# Altium PCB PCB1.PcbDoc (part 1 of 2)
Units mm, origin at the board's own origin, x right, y up, seen from the top; angles counter-clockwise.
Board outline 45 x 19 mm, 4 copper layers (Top Layer 1, Top Layer, Bottom Layer, Bottom Layer 1), stack 0.902 mm thick; 62 components, 38 nets, 218 pads, 229 vias.
Unrouted connection lines stored in the file: 1.
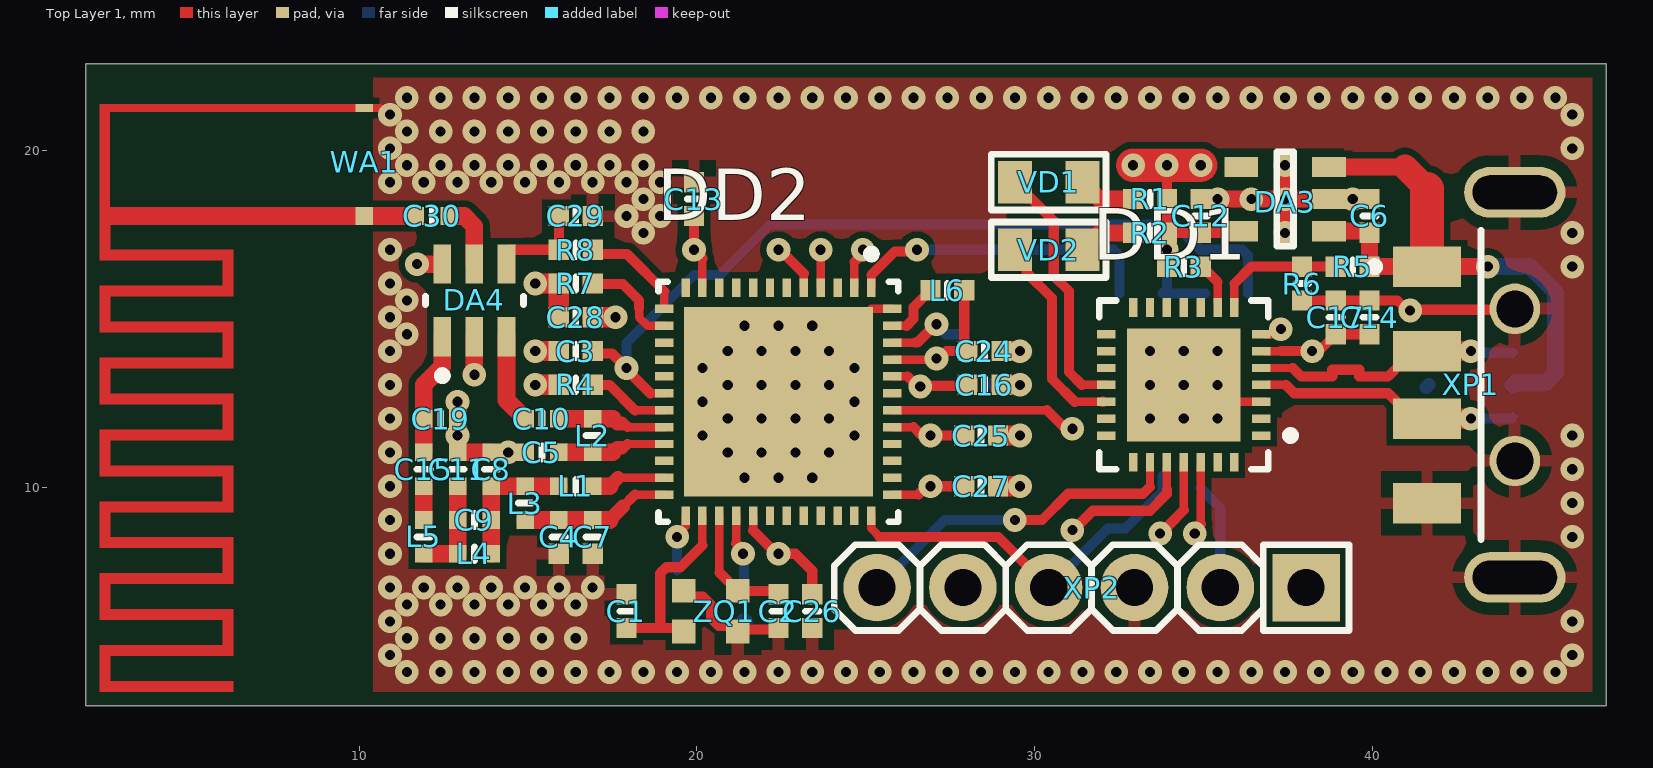
[diagram p0: Top Layer 1 view]
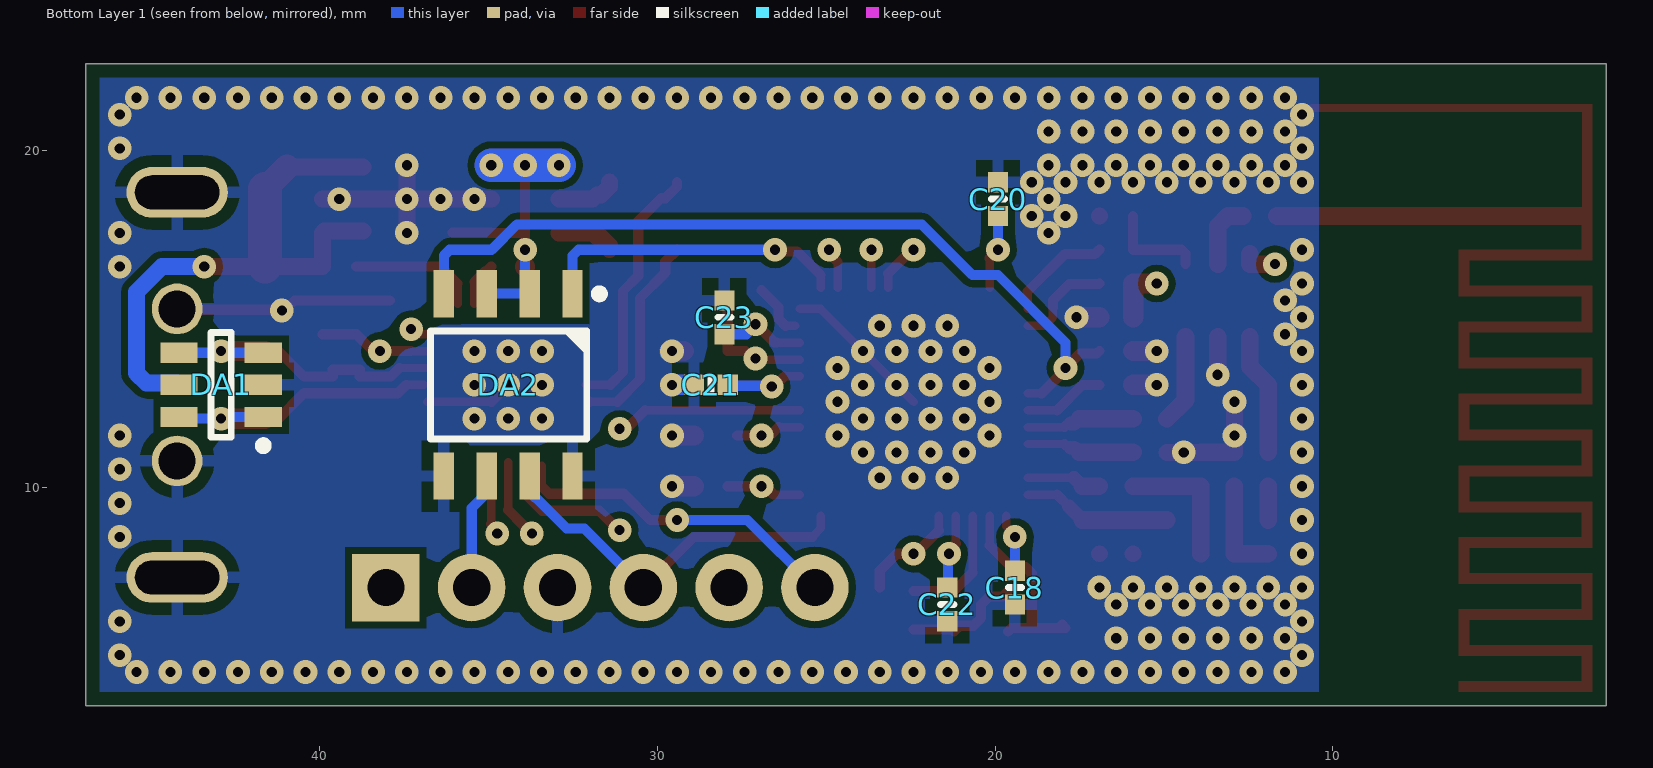
[diagram p1: Bottom Layer 1 view, seen from below]
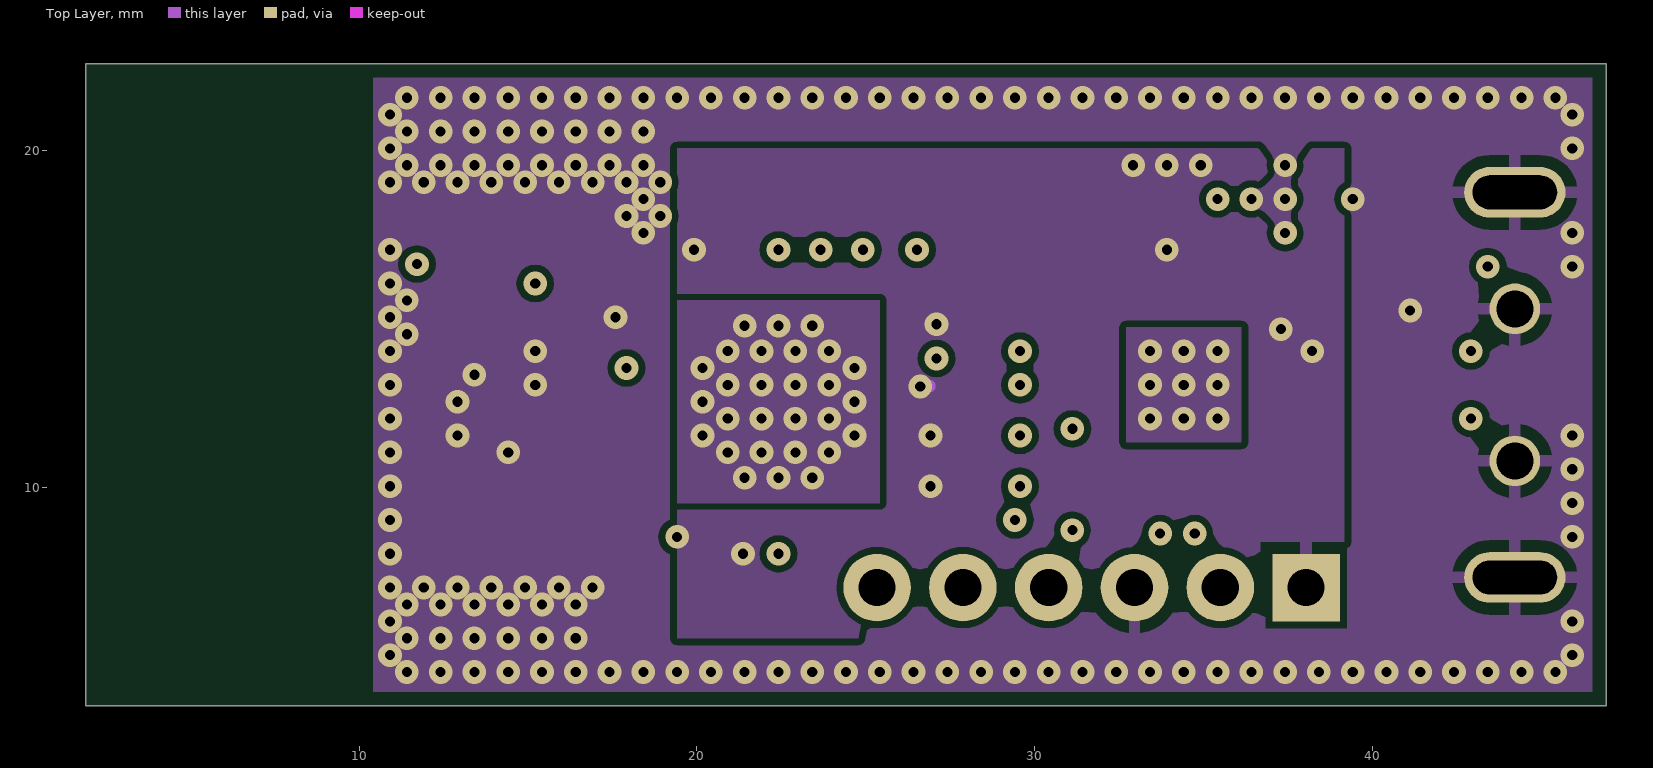
[diagram p2: Top Layer]
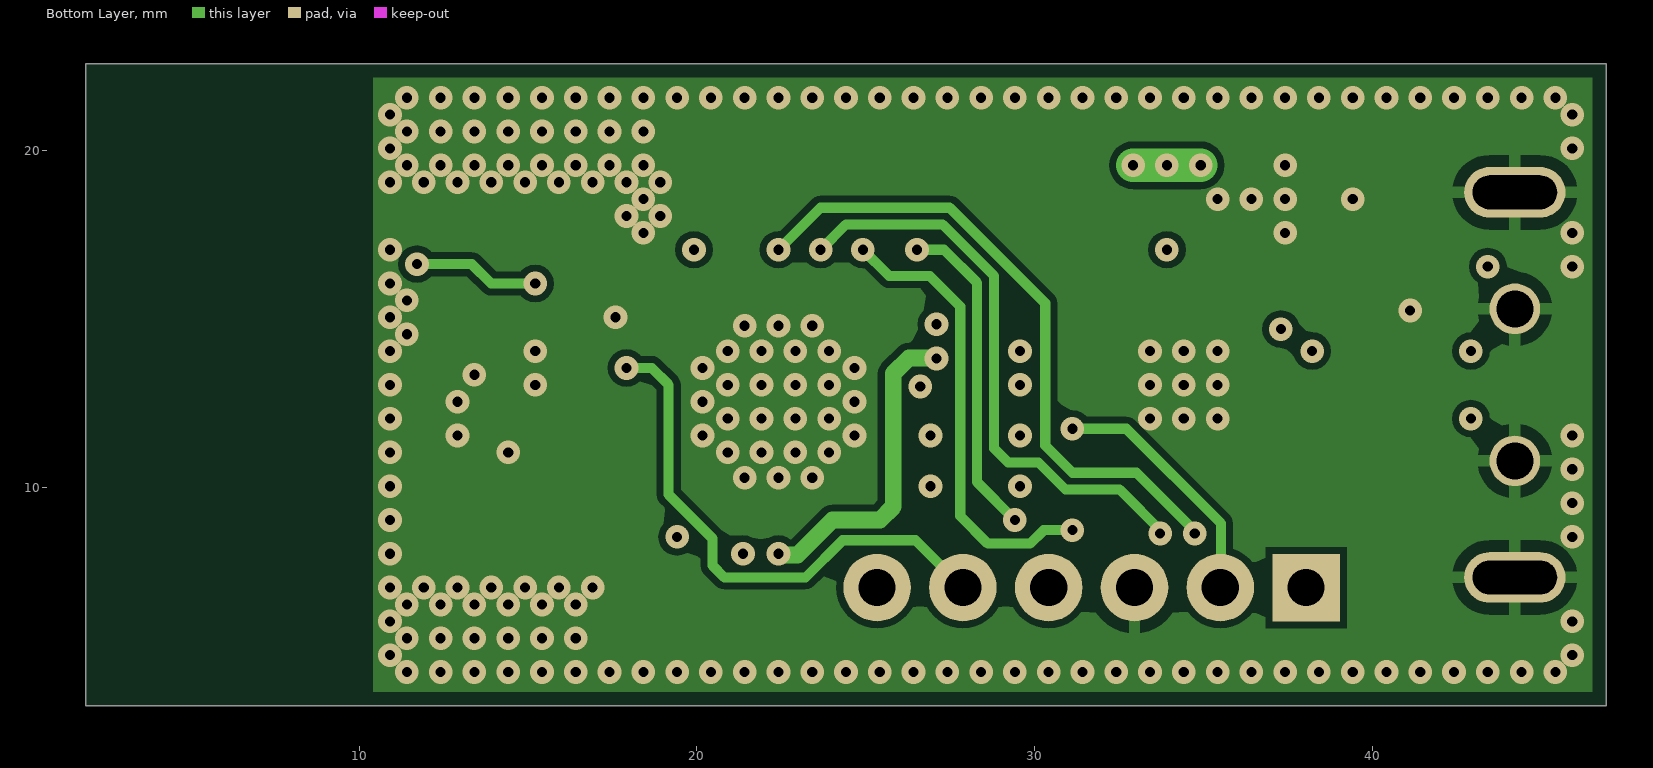
[diagram p3: Bottom Layer]

## Layer stack, top to bottom
Top Solder: solder mask 0.0254, SM-001, Dk 3.5
Top Layer 1: signal copper 0.018
Dielectric 5: core 0.3, FR4 Tg150, Dk 4.6
Top Layer: signal copper 0.018
Dielectric 4: prepreg 0.115, FR4 PR, Dk 4.2
Dielectric 3: prepreg 0.115, FR4 PR, Dk 4.2
Bottom Layer: signal copper 0.018
Dielectric 1: core 0.3, FR4 Tg150, Dk 4.6
Bottom Layer 1: signal copper 0.018
Bottom Solder: solder mask 0.0254, SM-001, Dk 3.5

## Board outline
1.912,3.55 1.912,22.55 46.912,22.55 46.912,3.55

## Design rules (kind name [scope] priority, off if disabled: settings)
AcuteAngle [All] p1: minimum=3.50000000000000E+0001 checktracksonly=FALSE
BoardOutlineClearance "BoardOutlineClearance 1" [All] p1: gap=0.4 ignorepadtopadclearanceinfootprint=FALSE except(0: Arc-SplitContinuation Track-SplitContinuation SMDPad-SplitContinuation THPad-SplitContinuation Via-SplitContinuation Fill-SplitContinuation Poly-SplitContinuation Region-SplitContinuation Text-SplitContinuation; 0.25: Region-SplitBarrior) // Milling
BoardOutlineClearance "BoardOutlineClearance 2" [All] p2: gap=0.4 ignorepadtopadclearanceinfootprint=FALSE except(0: Arc-SplitContinuation Track-SplitContinuation SMDPad-SplitContinuation THPad-SplitContinuation Via-SplitContinuation Fill-SplitContinuation Poly-SplitContinuation Region-SplitContinuation Text-SplitContinuation) // V-Cut
Clearance "Clearance 3 Oz" [All] p1 off: gap=0.35 ignorepadtopadclearanceinfootprint=FALSE except(0.25: Arc-Hole Track-Hole SMDPad-Hole THPad-Hole Via-Hole Fill-Hole Poly-Hole Region-Hole Text-Hole)
Clearance "Clearance 2 Oz" [All] p2 off: gap=0.3 ignorepadtopadclearanceinfootprint=FALSE except(0.25: Arc-Hole Track-Hole SMDPad-Hole THPad-Hole Via-Hole Fill-Hole Poly-Hole Region-Hole Text-Hole)
Clearance "Clearance-1 1 Oz" [All] p3: gap=0.2 ignorepadtopadclearanceinfootprint=FALSE except(0.25: Arc-Hole Track-Hole SMDPad-Hole THPad-Hole Via-Hole Fill-Hole Poly-Hole Region-Hole Text-Hole) // Standart
Clearance "Clearance-2 1 Oz" [All] p4 off: gap=0.15 ignorepadtopadclearanceinfootprint=FALSE except(0.2: Arc-Fill Arc-Poly Track-Fill Track-Poly SMDPad-Fill SMDPad-Poly THPad-Fill THPad-Poly Via-Fill Via-Poly Fill-Fill Fill-Poly Poly-Poly; 0.25: Arc-Hole Track-Hole SMDPad-Hole THPad-Hole Via-Hole Fill-Hole Poly-Hole Region-Hole Text-Hole) // Advance
Clearance "Clearance-1 1/2 Oz" [All] p5 off: gap=0.125 ignorepadtopadclearanceinfootprint=FALSE except(0.2: Arc-Fill Arc-Poly Track-Fill Track-Poly SMDPad-SMDPad SMDPad-Fill SMDPad-Poly THPad-Fill THPad-Poly Via-Fill Via-Poly Fill-Fill Fill-Poly Poly-Poly Poly-Region Poly-Text; 0.25: Arc-Hole Track-Hole SMDPad-Hole THPad-Hole Via-Hole Fill-Hole Poly-Hole Region-Hole Text-Hole) // Standart
Clearance "Clearance-2 1/2 Oz" [All] p6 off: gap=0.1 ignorepadtopadclearanceinfootprint=FALSE except(0.15: Arc-Fill Arc-Poly Track-Fill Track-Poly SMDPad-SMDPad SMDPad-Fill SMDPad-Poly THPad-Fill THPad-Poly Via-Fill Via-Poly Fill-Fill Fill-Poly Poly-Poly Poly-Region Poly-Text; 0.25: Arc-Hole Track-Hole SMDPad-Hole THPad-Hole Via-Hole Fill-Hole Poly-Hole Region-Hole Text-Hole) // Advance
DiffPairsRouting "DiffPairsRouting 1 Oz" [All] p1: maxlimit=0.254 minlimit=0.2 mostfreqgap=0.254 toplayer_minwidth=0.2 toplayer_maxwidth=0.381 toplayer_prefwidth=0.381 midlayer1_minwidth=0.2 midlayer1_maxwidth=0.381 midlayer1_prefwidth=0.381 midlayer2_minwidth=0.2 midlayer2_maxwidth=0.381 midlayer2_prefwidth=0.381 bottomlayer_minwidth=0.2 bottomlayer_maxwidth=0.381 bottomlayer_prefwidth=0.381 maxuncoupledlength=12.7
DiffPairsRouting "DiffPairsRouting 1/2 Oz" [All] p2: maxlimit=0.254 minlimit=0.1 mostfreqgap=0.254 toplayer_minwidth=0.1 toplayer_maxwidth=0.381 toplayer_prefwidth=0.381 midlayer1_minwidth=0.1 midlayer1_maxwidth=0.381 midlayer1_prefwidth=0.381 midlayer2_minwidth=0.1 midlayer2_maxwidth=0.381 midlayer2_prefwidth=0.381 bottomlayer_minwidth=0.1 bottomlayer_maxwidth=0.381 bottomlayer_prefwidth=0.381 maxuncoupledlength=12.7
HoleSize "Minimum HoleSize" [IsPad] p1: absolutevalues=TRUE maxlimit=5.9 minlimit=0.6 maxpercent=80.000 minpercent=20.000
HoleSize "Minimum HoleSize VIA 1" [IsVia] p2: absolutevalues=TRUE maxlimit=5.9 minlimit=0.3 maxpercent=80.000 minpercent=20.000 // Standart
HoleSize "Minimum HoleSize VIA 2" [IsVia] p3: absolutevalues=TRUE maxlimit=5.9 minlimit=0.2 maxpercent=80.000 minpercent=20.000 // Advance
HoleToHoleClearance Hole2HoleClearance [All] p1: gap=0.25 allowstackedmicrovias=FALSE
MinimumAnnularRing "Minimum AR VIA Standart" [IsVia] p1: minimumring=0.15
MinimumAnnularRing "Minimum AR PAD Standart" [IsPAD] p2: minimumring=0.2
MinimumAnnularRing "Minimum AR VIA Advance" [IsVia] p3: minimumring=0.1
MinimumAnnularRing "Minimum AR PAD Advance" [IsPAD] p4: minimumring=0.15
MinimumSolderMaskSliver "SolderMask Bridge Standart" [All] p1: minsoldermaskwidth=0.15 // All Masks
MinimumSolderMaskSliver "SolderMask Bridge Advance" [All] p2: minsoldermaskwidth=0.1 // Mask LDI
PlaneClearance "PlaneClearance 3 Oz" [All] p1: clearance=0.35
PlaneClearance "PlaneClearance 2 Oz" [All] p2: clearance=0.3
PlaneClearance "PlaneClearance 1 Oz" [All] p3: clearance=0.2
PlaneClearance "PlaneClearance-1 1/2 Oz" [All] p4: clearance=0.2 // Standart
PlaneClearance "PlaneClearance-2 1/2 Oz" [All] p5: clearance=0.15 // Advance
PlaneConnect "TermalConnect 3 Oz" [All] p1: planeconnectstyle=Relief reliefexpansion=0.2 reliefentries=4 reliefconductorwidth=0.35 reliefairgap=0.35 // Standart
PlaneConnect "TermalConnect 2 Oz" [All] p2: planeconnectstyle=Relief reliefexpansion=0.2 reliefentries=4 reliefconductorwidth=0.3 reliefairgap=0.3 // Standart
PlaneConnect "TermalConnect-1 1 Oz" [All] p3: planeconnectstyle=Relief reliefexpansion=0.2 reliefentries=4 reliefconductorwidth=0.2 reliefairgap=0.2 // Standart
PlaneConnect "TermalConnect-2 1 Oz" [All] p4: pad.planeconnectstyle=Relief pad.reliefexpansion=0.15 pad.reliefentries=4 pad.reliefconductorwidth=0.2 pad.reliefairgap=0.2 via.planeconnectstyle=Direct via.reliefexpansion=0.15 via.reliefentries=4 via.reliefconductorwidth=0.15 via.reliefairgap=0.15 // Advance
PlaneConnect "TermalConnect-1 1/2 Oz" [All] p5: planeconnectstyle=Relief reliefexpansion=0.2 reliefentries=4 reliefconductorwidth=0.2 reliefairgap=0.2 // Standart
PlaneConnect "TermalConnect-2 1/2 Oz" [All] p6: pad.planeconnectstyle=Relief pad.reliefexpansion=0.15 pad.reliefentries=4 pad.reliefconductorwidth=0.15 pad.reliefairgap=0.15 via.planeconnectstyle=Direct via.reliefexpansion=0.15 via.reliefentries=4 via.reliefconductorwidth=0.15 via.reliefairgap=0.15 // Advance
PolygonConnect "PolygonConnect 3 Oz" [All] p1: thpad.connectstyle=Relief thpad.reliefconductorwidth=0.35 thpad.reliefentries=4 thpad.polygonreliefangle="90 Angle" thpad.airgapwidth=0.35 smdpad.connectstyle=Relief smdpad.reliefconductorwidth=0.35 smdpad.reliefentries=4 smdpad.polygonreliefangle="90 Angle" smdpad.airgapwidth=0.35 via.connectstyle=Direct via.reliefconductorwidth=0.254 via.reliefentries=4 via.polygonreliefangle="90 Angle" via.airgapwidth=0.254
PolygonConnect "PolygonConnect 2 Oz" [All] p2: thpad.connectstyle=Relief thpad.reliefconductorwidth=0.3 thpad.reliefentries=4 thpad.polygonreliefangle="90 Angle" thpad.airgapwidth=0.3 smdpad.connectstyle=Relief smdpad.reliefconductorwidth=0.3 smdpad.reliefentries=4 smdpad.polygonreliefangle="90 Angle" smdpad.airgapwidth=0.3 via.connectstyle=Direct via.reliefconductorwidth=0.254 via.reliefentries=4 via.polygonreliefangle="90 Angle" via.airgapwidth=0.254
PolygonConnect "PolygonConnect-1 1 Oz" [All] p3: thpad.connectstyle=Relief thpad.reliefconductorwidth=0.2 thpad.reliefentries=4 thpad.polygonreliefangle="90 Angle" thpad.airgapwidth=0.2 smdpad.connectstyle=Relief smdpad.reliefconductorwidth=0.2 smdpad.reliefentries=4 smdpad.polygonreliefangle="90 Angle" smdpad.airgapwidth=0.2 via.connectstyle=Direct via.reliefconductorwidth=0.254 via.reliefentries=4 via.polygonreliefangle="90 Angle" via.airgapwidth=0.254 // Standart
PolygonConnect "PolygonConnect-2 1 Oz" [All] p4: thpad.connectstyle=Relief thpad.reliefconductorwidth=0.15 thpad.reliefentries=4 thpad.polygonreliefangle="90 Angle" thpad.airgapwidth=0.15 smdpad.connectstyle=Relief smdpad.reliefconductorwidth=0.15 smdpad.reliefentries=4 smdpad.polygonreliefangle="90 Angle" smdpad.airgapwidth=0.15 via.connectstyle=Direct via.reliefconductorwidth=0.254 via.reliefentries=4 via.polygonreliefangle="90 Angle" via.airgapwidth=0.254 // Advance
PolygonConnect "PolygonConnect-1 1/2 Oz" [All] p5: thpad.connectstyle=Relief thpad.reliefconductorwidth=0.15 thpad.reliefentries=4 thpad.polygonreliefangle="90 Angle" thpad.airgapwidth=0.2 smdpad.connectstyle=Relief smdpad.reliefconductorwidth=0.2 smdpad.reliefentries=4 smdpad.polygonreliefangle="90 Angle" smdpad.airgapwidth=0.2 via.connectstyle=Direct via.reliefconductorwidth=0.254 via.reliefentries=4 via.polygonreliefangle="90 Angle" via.airgapwidth=0.254 // Standart
PolygonConnect "PolygonConnect-2 1/2 Oz" [All] p6: thpad.connectstyle=Relief thpad.reliefconductorwidth=0.125 thpad.reliefentries=4 thpad.polygonreliefangle="90 Angle" thpad.airgapwidth=0.15 smdpad.connectstyle=Relief smdpad.reliefconductorwidth=0.125 smdpad.reliefentries=4 smdpad.polygonreliefangle="90 Angle" smdpad.airgapwidth=0.15 via.connectstyle=Direct via.reliefconductorwidth=0.254 via.reliefentries=4 via.polygonreliefangle="90 Angle" via.airgapwidth=0.254 // Advance
RoutingCorners [All] p1 off: cornerstyle=45-Degree minsetback=2.54 maxsetback=2.54
RoutingVias [All] p1: holewidth=0.3 width=0.5 viastyle="Through Hole" minholewidth=0.3 minwidth=0.5 maxholewidth=5.9 maxwidth=6.4
SilkToSilkClearance Silk2SilkClearance [All] p1 off: silktosilkclearance=0.15
SilkToSolderMaskClearance Silk2SolderMaskClearance [IsPad] p1 off: minsilkscreentomaskgap=0.15 clearancetoexposedcopper=TRUE
SolderMaskExpansion SolderMaskExpansion-1 [All] p1: expansion=0.05 istentingtop=FALSE // Standart
SolderMaskExpansion "SolderMaskExpansion LDI" [All] p2: expansion=0.025 istentingtop=FALSE // Advance
UnRoutedNet [All] p1: checkbadconnections=TRUE
Width "Width 3 Oz" [All] p1 off: maxlimit=10 minlimit=0.35 preferedwidth=0.4 checkconnectedcopper=TRUE
Width "Width 2 Oz" [All] p2 off: maxlimit=10 minlimit=0.3 preferedwidth=0.35 minimp=50.000000 maximp=50.000000 favimp=50.000000 checkconnectedcopper=TRUE
Width "Width 1 Oz" [All] p3: maxlimit=10 minlimit=0.15 preferedwidth=0.2 toplayer_minwidth=0.2 bottomlayer_minwidth=0.2 minimp=50.000000 maximp=50.000000 favimp=50.000000 checkconnectedcopper=TRUE
Width "Width 1/2 Oz" [All] p4 off: maxlimit=10 minlimit=0.1 preferedwidth=0.125 checkconnectedcopper=TRUE
20 further rules are at their usual default settings.

## Classes and differential pairs
component class Principal: C1 C2 C3 C4 C5 C6 C7 C8 C9 C10 C11 C12 C13 C14 C15 C16 C17 C18 C19 C20 C21 C22 C23 C24 C25 C26 C27 C28 C29 C30 DA1 DA2 DA3 DA4 DD1 DD2 L1 L2 L3 L4 L5 L6 R1 R2 R3 R4 R5 R6 R7 R8 VD1 VD2 W1 WA1 XP1 XP2 ZQ1
differential pair USB: +D+ -D-

## Components (designator, comment, footprint, x,y, rotation, side; value= is the part's Value field where it differs from the comment)
C1 "04023J0R9BBWTR" "CAP: 0402"#1 17.912,6.35 r270 top
C2 "04023J0R9BBWTR" "CAP: 0402"#1 22.412,6.35 r90 top
C3 "04023J0R9BBWTR" "CAP: 0402"#1 16.412,14.05 r0 top
C4 "04023J0R9BBWTR" "CAP: 0402"#2 15.912,8.55 r90 top
C5 "04023J0R9BBWTR" "CAP: 0402"#3 15.412,11.05 r0 top
C6 "04023J0R9BBWTR" "CAP: 0402"#1 39.912,18.05 r90 top
C7 "04023J0R9BBWTR" "CAP: 0402"#2 16.912,8.55 r90 top
C8 "04023J0R9BBWTR" "CAP: 0402"#3 13.912,10.55 r270 top
C9 "04023J0R9BBWTR" "CAP: 0402"#3 13.412,9.05 r0 top
C10 "04023J0R9BBWTR" "CAP: 0402"#3 15.412,12.05 r0 top
C11 "04023J0R9BBWTR" "CAP: 0402"#3 12.912,10.55 r270 top
C12 "04023J0R9BBWTR" "CAP: 0402"#1 34.912,18.05 r90 top
C13 "04023J0R9BBWTR" "CAP: 0402"#1 19.912,18.55 r90 top
C14 "04023J0R9BBWTR" "CAP: 0402"#1 39.912,15.05 r90 top
C15 "04023J0R9BBWTR" "CAP: 0402"#3 11.912,10.55 r90 top
C16 "04023J0R9BBWTR" "CAP: 0402"#1 28.512,13.05 r0 top
C17 "04023J0R9BBWTR" "CAP: 0402"#1 38.912,15.05 r90 top
C18 "04023J0R9BBWTR" "CAP: 0402"#1 19.412,7.05 r270 bottom
C19 "04023J0R9BBWTR" "CAP: 0402"#3 12.412,12.05 r180 top
C20 "04023J0R9BBWTR" "CAP: 0402"#1 19.912,18.55 r90 bottom
C21 "04023J0R9BBWTR" "CAP: 0402"#1 28.412,13.05 r0 bottom
C22 "04023J0R9BBWTR" "CAP: 0402"#1 21.412,6.55 r270 bottom
C23 "04023J0R9BBWTR" "CAP: 0402"#1 28.012,15.05 r90 bottom
C24 "04023J0R9BBWTR" "CAP: 0402"#1 28.512,14.05 r0 top
C25 "04023J0R9BBWTR" "CAP: 0402"#1 28.412,11.55 r0 top
C26 "04023J0R9BBWTR" "CAP: 0402"#1 23.412,6.35 r270 top
C27 "04023J0R9BBWTR" "CAP: 0402"#1 28.412,10.05 r0 top
C28 "04023J0R9BBWTR" "CAP: 0402"#1 16.412,15.05 r180 top
C29 "04023J0R9BBWTR" "CAP: 0402"#1 16.412,18.05 r180 top
C30 "04023J0R9BBWTR" "CAP: 0402"#3 12.162,18.05 r0 top
DA1 "SRV05-4.TCT" SMTC-SOT23-6_V 42.912,13.05 r0 bottom
DA2 "SRDA3.3-4DR2G" 8-SOIC 34.412,13.05 r270 bottom
DA3 "XC6219B332MR" SOT23-5 37.412,18.55 r180 top
DA4 "HMC544AETR" FP-RJ-6-IPC_C 13.412,15.55 r90 top
DD1 "CP2102N-A02-GQFN28R" FP-CP2102N-A02-GQFN28R-IPC_C 34.412,13.05 r180 top
DD2 "STM32WLE5CCU6" FP-UFQFPN48-A0B9-MFG 22.413,12.55 r270 top
L1 "LQW15AN4N3C00D" "IND: 0402"#1 16.412,10.05 r180 top
L2 "LQW15AN4N3C00D" "IND: 0402"#1 16.912,11.55 r90 top
L3 "LQW15AN4N3C00D" "IND: 0402"#1 14.912,9.55 r90 top
L4 "LQW15AN4N3C00D" "IND: 0402"#1 13.412,8.05 r180 top
L5 "LQW15AN4N3C00D" "IND: 0402"#1 11.912,8.55 r90 top
L6 "LQW15AN4N3C00D" "IND: 0402"#2 27.412,15.85 r180 top
R1 "RC0402FR-074K7L" "RES: 0402" 33.412,18.55 r180 top
R2 "RC0402FR-074K7L" "RES: 0402" 33.412,17.55 r180 top
R3 "RC0402FR-074K7L" "RES: 0402" 34.412,16.55 r0 top
R4 "RC0402FR-074K7L" "RES: 0402" 16.412,13.05 r180 top
R5 "RC0402FR-074K7L" "RES: 0402" 39.412,16.55 r0 top
R6 "RC0402FR-074K7L" "RES: 0402" 37.912,16.05 r90 top
R7 "RC0402FR-074K7L" "RES: 0402" 16.412,16.05 r180 top
R8 "RC0402FR-074K7L" "RES: 0402" 16.412,17.05 r180 top
VD1 "LED, Green, *, *, *, -55...+150°C" "LED: 0805R" 30.412,19.05 r180 top
VD2 "LED, Green, *, *, *, -55...+150°C" "LED: 0805G" 30.412,17.05 r180 top
WA1 "Antenna" ANTENNA 10.412,3.55 r90 top
XP1 "480-37-1000" MOLX-480-37-1000_V 42.912,13.05 r90 top
XP2 "Connector PLS-6" PLS-6 38.032,7.05 r180 top
ZBOAS414987125 "Comment" "BOASVIEWlayer:Bottom Layer 1:4:-1:32:1" 85,2189.579 r0 top (schematic designator fewf)
ZBOAS414990865 "Comment" "BOASVIEWlayer:Bottom Layer:4:-1:3:1" 85,2284.579 r0 top (schematic designator fewf)
ZBOAS414994622 "Comment" "BOASVIEWlayer:Top Layer:4:-1:2:1" 85,2380 r0 top (schematic designator fewf)
ZBOAS414996377 "Comment" "BOASVIEWlayer:Top Layer 1:4:1:1:1" 85,2424.579 r0 top (schematic designator fewf)
ZBOAS1590198362 "Comment" "BOASVIEWdrill:Таблица отверстий:0:0:0:0" 383.5,2475 r0 top
ZBOAS1765394661 "Comment" "BOASVIEWrazrez:Разрез платы:25:0:0:0" 428,2381 r0 top
ZQ1 "*" "OSC: 2016" 20.412,6.35 r180 top

## Footprints (in the part's own frame and the unit in brackets; to place one, negate y for a bottom-side part, rotate by r counter-clockwise, add the part's x,y. Pads: shape width x height; smd on the part's side, far side on the other; paste and mask are expansions set on the pad)
8-SOIC [mm] "pitch 1.27 mm"
  rect 1.4x0.6 smd: 1(-2.7,1.905) 2(-2.7,0.635) 3(-2.7,-0.635) 4(-2.7,-1.905) 5(2.7,-1.905) 6(2.7,-0.635) 7(2.7,0.635) 8(2.7,1.905)
  round 0.7 on Mech1: 28(-2.395,1.8)
  silkscreen extent -2.82,-2.3 1.61,2.82, body extent -3,-2.45 3,2.45, height 1.75
ANTENNA [mm]
  rect 0.52x0.52 smd mask+0.05: 1(14.5,0.26)
  rect 0.235x0.52 smd mask+0.05: 2(17.692,0.26)
  Top Layer 1 region: 13.176,8.1 13.176,4.131 13.501,4.131 13.501,8.1
  Top Layer 1 region: 14.24,7.783 17.809,7.783 17.809,8.1 14.24,8.1
  Top Layer 1 region: 14.76,0 14.76,8.1 14.24,8.1 14.24,0
  Top Layer 1 region: 17.81,0 17.81,8.1 17.575,8.1 17.575,0
  Top Layer 1 region: 13.176,7.775 14.76,7.775 14.76,8.1 13.176,8.1
  Top Layer 1 region: 12.112,4.131 13.501,4.131 13.501,4.456 12.112,4.456
  Top Layer 1 region: 12.112,8.1 12.112,4.131 12.437,4.131 12.437,8.1
  Top Layer 1 region: 11.048,7.775 12.437,7.775 12.437,8.1 11.048,8.1
  Top Layer 1 region: 11.048,8.1 11.048,4.131 11.373,4.131 11.373,8.1
  Top Layer 1 region: 9.984,4.131 11.373,4.131 11.373,4.456 9.984,4.456
  Top Layer 1 region: 9.984,8.1 9.984,4.131 10.309,4.131 10.309,8.1
  Top Layer 1 region: 8.92,7.775 10.309,7.775 10.309,8.1 8.92,8.1
  Top Layer 1 region: 8.92,8.1 8.92,4.131 9.245,4.131 9.245,8.1
  Top Layer 1 region: 7.856,4.131 9.245,4.131 9.245,4.456 7.856,4.456
  Top Layer 1 region: 7.856,8.1 7.856,4.131 8.181,4.131 8.181,8.1
  Top Layer 1 region: 6.792,7.775 8.181,7.775 8.181,8.1 6.792,8.1
  Top Layer 1 region: 6.792,8.1 6.792,4.131 7.117,4.131 7.117,8.1
  Top Layer 1 region: 5.728,4.131 7.117,4.131 7.117,4.456 5.728,4.456
  Top Layer 1 region: 5.728,8.1 5.728,4.131 6.053,4.131 6.053,8.1
  Top Layer 1 region: 4.664,7.775 6.053,7.775 6.053,8.1 4.664,8.1
  Top Layer 1 region: 4.664,8.1 4.664,4.131 4.989,4.131 4.989,8.1
  Top Layer 1 region: 3.6,4.131 4.989,4.131 4.989,4.456 3.6,4.456
  Top Layer 1 region: 3.6,8.1 3.6,4.131 3.925,4.131 3.925,8.1
  Top Layer 1 region: 2.536,7.775 3.925,7.775 3.925,8.1 2.536,8.1
  Top Layer 1 region: 2.536,8.1 2.536,4.131 2.861,4.131 2.861,8.1
  Top Layer 1 region: 1.472,4.131 2.861,4.131 2.861,4.456 1.472,4.456
  Top Layer 1 region: 1.472,8.1 1.472,4.131 1.797,4.131 1.797,8.1
  Top Layer 1 region: 0.408,7.775 1.797,7.775 1.797,8.1 0.408,8.1
  Top Layer 1 region: 0.408,8.1 0.408,4.131 0.733,4.131 0.733,8.1
"BOASVIEWdrill:Таблица отверстий:0:0:0:0" [mm]
"BOASVIEWlayer:Bottom Layer 1:4:-1:32:1" [mm]
"BOASVIEWlayer:Bottom Layer:4:-1:3:1" [mm]
"BOASVIEWlayer:Top Layer 1:4:1:1:1" [mm]
"BOASVIEWlayer:Top Layer:4:-1:2:1" [mm]
"BOASVIEWrazrez:Разрез платы:25:0:0:0" [mm]
"CAP: 0402"#1 [mm]
  rect 0.6x0.6 smd: 1(-0.5,0) 2(0.5,0)
  silkscreen extent 0,-0.2 0,0.2, body extent -0.52,-0.25 0.51,0.25, height 0.51
"CAP: 0402"#2 [mm]
  rect 0.6x0.6 smd: 1(-0.5,0)
  rect 0.52x0.52 smd: 2(0.5,0)
  silkscreen extent 0,-0.2 0,0.2, body extent -0.52,-0.25 0.51,0.25, height 0.51
"CAP: 0402"#3 [mm]
  rect 0.52x0.52 smd: 1(-0.5,0) 2(0.5,0)
  silkscreen extent 0,-0.2 0,0.2, body extent -0.52,-0.25 0.51,0.25, height 0.51
FP-CP2102N-A02-GQFN28R-IPC_C [mm]
  rect 0.55x0.25 smd: 1(-2.291,1.5) 2(-2.291,1) 3(-2.291,0.5) 4(-2.291,0) 5(-2.291,-0.5) 6(-2.291,-1) 7(-2.291,-1.5) 15(2.291,-1.5) 16(2.291,-1) 17(2.291,-0.5) 18(2.291,0) 19(2.291,0.5) 20(2.291,1) 21(2.291,1.5)
  rect 0.25x0.55 smd: 8(-1.5,-2.291) 9(-1,-2.291) 10(-0.5,-2.291) 11(0,-2.291) 12(0.5,-2.291) 13(1,-2.291) 14(1.5,-2.291) 22(1.5,2.291) 23(1,2.291) 24(0.5,2.291) 25(0,2.291) 26(-0.5,2.291) 27(-1,2.291) 28(-1.5,2.291)
  rect 3.35x3.35 smd: 29(0,0)
  silkscreen extent -3.28,-2.5 2.5,2.5, body extent -2.86,-2.86 2.86,2.86, height 0.25
FP-RJ-6-IPC_C [mm]
  rect 1.156x0.52 smd: 1(-1.075,0.95) 2(-1.075,0) 3(-1.075,-0.95) 4(1.075,-0.95) 5(1.075,0) 6(1.075,0.95)
  silkscreen extent -2.35,-1.45 0.12,1.45, body extent -1.75,-1.55 1.75,1.55, height 0.25
FP-UFQFPN48-A0B9-MFG [mm]
  rect 0.55x0.25 smd: 1(-3.375,2.75) 2(-3.375,2.25) 3(-3.375,1.75) 4(-3.375,1.25) 5(-3.375,0.75) 6(-3.375,0.25) 7(-3.375,-0.25) 8(-3.375,-0.75) 9(-3.375,-1.25) 10(-3.375,-1.75) 11(-3.375,-2.25) 12(-3.375,-2.75) 25(3.375,-2.75) 26(3.375,-2.25) 27(3.375,-1.75) 28(3.375,-1.25) 29(3.375,-0.75) 30(3.375,-0.25) 31(3.375,0.25) 32(3.375,0.75) 33(3.375,1.25) 34(3.375,1.75) 35(3.375,2.25) 36(3.375,2.75)
  rect 0.25x0.55 smd: 13(-2.75,-3.375) 14(-2.25,-3.375) 15(-1.75,-3.375) 16(-1.25,-3.375) 17(-0.75,-3.375) 18(-0.25,-3.375) 19(0.25,-3.375) 20(0.75,-3.375) 21(1.25,-3.375) 22(1.75,-3.375) 23(2.25,-3.375) 24(2.75,-3.375) 37(2.75,3.375) 38(2.25,3.375) 39(1.75,3.375) 40(1.25,3.375) 41(0.75,3.375) 42(0.25,3.375) 43(-0.25,3.375) 44(-0.75,3.375) 45(-1.25,3.375) 46(-1.75,3.375) 47(-2.25,3.375) 48(-2.75,3.375)
  rect 5.6x5.6 smd: 49(0,0)
  silkscreen extent -4.5,-3.55 3.55,3.55, body extent -3.75,-3.75 3.75,3.75, height 0.25
"IND: 0402"#1 [mm]
  rect 0.52x0.52 smd: 1(-0.5,0) 2(0.5,0)
  silkscreen extent 0,-0.2 0,0.2, body extent -0.5,-0.25 0.5,0.25, height 0.5
"IND: 0402"#2 [mm]
  rect 0.6x0.6 smd: 1(-0.5,0) 2(0.5,0)
  silkscreen extent 0,-0.2 0,0.2, body extent -0.5,-0.25 0.5,0.25, height 0.5
"LED: 0805G" [mm]
  rect 1x1.25 smd: 1(-1,0) 2(1,0)
  silkscreen extent -1.7,-0.82 1.7,0.82, body extent -1.05,-0.67 1.05,0.68, height 0.9
"LED: 0805R" [mm]
  rect 1x1.25 smd: 1(-1,0) 2(1,0)
  silkscreen extent -1.7,-0.82 1.7,0.82, body extent -1.05,-0.67 1.05,0.68, height 0.9
MOLX-480-37-1000_V [mm] "CONN, 4-Leads, Body 12x18.8mm"
  rect 1.2x2 smd: 1(3.5,1.3) 2(1,1.3) 3(-1,1.3) 4(-3.5,1.3)
  oval 1.5x3 hole 1 slot 2.5 at 90 deg: 5(-5.7,-1.3) 5(5.7,-1.3)
  round 1.5 hole 1.1 mask+0.05: MH1(-2.25,-1.3) MH2(2.25,-1.3)
  silkscreen extent -4.58,-0.3 4.58,2.97, body extent -6.35,-19.08 6.35,2.2, height 3.07
"OSC: 2016" [mm]
  rect 0.7x0.7 smd: 1(-0.8,-0.6) 2(-0.8,0.6) 3(0.8,0.6) 4(0.8,-0.6)
  round 0.5 on Top Overlay: ""(-1.6,-0.6)
  body extent -1,-0.8 1,0.8, height 0.65
PLS-6 [mm]
  rect 2x2 hole 1.1: 1(0,0)
  round 2 hole 1.1: 2(2.54,0) 3(5.08,0) 4(7.62,0) 5(10.16,0) 6(12.7,0)
  silkscreen extent -1.27,-1.27 13.97,1.27
"RES: 0402" [mm]
  rect 0.6x0.6 smd: 1(-0.5,0) 2(0.5,0)
  silkscreen extent 0,-0.2 0,0.2, body extent -0.52,-0.25 0.47,0.25, height 0.34
SMTC-SOT23-6_V [mm] "SOT23, 6-Leads, Body 3.15x1.7mm, Pitch 0.95mm"
  rect 1.1x0.6 smd: 1(-1.25,0.95) 1(1.25,0.95) 2(-1.25,0) 3(-1.25,-0.95) 3(1.25,-0.95) 5(1.25,0)
  silkscreen extent -1.37,-1.55 0.3,1.92, body extent -1.35,-1.5 1.35,1.5, height 1
SOT23-5 [mm] "pitch 0.95 mm"
  rect 1x0.6 smd: 1(-1.3,0.95) 2(-1.3,0) 3(-1.3,-0.95) 4(1.3,-0.95) 5(1.3,0.95)
  round 0.5 on Mech1: ""(-1.1,1.1)
  silkscreen extent -0.25,-1.4 0.25,1.4, body extent -1.5,-1.5 1.5,1.5, height 1.3

## Part data
C1 C2 C3 C4 C5 C6 C7 C8 C9 C10 C11 C12 C13 C14 C15 C16 C17 C18 C19 C20 C21 C22 C23 C24 C25 C26 C27 C28 C29 C30: library part C, Manufacturer="AVX Interconnect / Elco", Part Number=04023J0R9BBWTR
DA1: library part CMP-2000-05358-1, "RailClamp(R) Low Capacitance TVS Diode Array, 5 pF, 17.5 VC, -55 to 125 degC, 6-Pin SOT23, RoHS, Tape and Reel", Capacitance Value=5pF, Clamping Voltage=17.5V, Clamping Voltage (Max)=12.5V, Leakage Current=5uA, Manufacturer=Semtech, Operating Temp Range=-55Cto125C, Operating Temperature Classification=Military, Operating Temperature Max Deg. C=125C, Operating Temperature Min Deg. C=-55C, Package / Case=SOT-23, Package Description="6-Pin Small Outline Transistor, Body 2.9 x 1.6 mm, Pitch 0.95 mm", Package Reference=SOT23-6, Peak Pulse Current=12A, Peak Pulse Power Dissipation=300W, Reverse Breakdown Voltage=6V, Reverse Stand-off Voltage=5V, Test Current (It)=1mA, Configuration=Quad, Datasheet URL=https://datasheet.ciiva.com/8029/srv05-4-8029973.pdf, Datasheet Version=Jan-08, Direction Type=Uni-Directional, Leakage Current (Max)=5uA, Manufacturer URL=http://www.semtech.com/, Mounting=SurfaceMount, Mounting Style=SurfaceMount, Number of Elements=1, Packaging=TapeandReel, Pin Count=6, Polarity=Uni-Directional, Product Depth (mm)=1.6mm, Product Height (mm)=1.15mm, Product Length (mm)=2.9mm, Rad Hardened=No, Suppressor Type=DiodeArrays, Working Voltage=5V, Working Voltage (Max)=5V
DA2: library part CMP-1063-00128-1, "Low Capacitance Surface Mount TVS for High-Speed Data Interface, 8-Pin SOIC, Pb-Free, Tape and Reel", Manufacturer="On Semiconductor", ComponentLink1Description="Manufacturer URL", ComponentLink1URL=http://www.onsemi.com/, ComponentLink2Description=Datasheet, ComponentLink2URL=http://www.onsemi.cn/pub_link/Collateral/SRDA3.3-4-D.PDF, ComponentLink3Description="Package Specification", ComponentLink3URL=http://www.onsemi.com/pub_link/Collateral/751-07.PDF, DatasheetVersion="Rev. 0", Direction=Unidirectional, IR Max (uA)=5, Mounting Technology="Surface Mount", Number of Lines=4, PackageDescription="8-Pin Small Outline Integrated Circuit, Body 4.9 x 3.9 mm, Pitch 1.27 mm", PackageReference=SOIC-8-751-07, PackageVersion="Rev. AK, 02/2011", Packing="Tape and Reel", PartNumber=SRDA3.3-4DR2G, PPK Max (W)=500, RoHS=Pb-Free, V(BR) Min (V)=5, VRWM Max (V)=3.3
DA3: library part STU, "LDO Voltage Regulators 0.3A, 3.3V"
DA4: library part CMP-09141-000069-1, "IC RF SWITCH SPDT 4GHZ SOT26", Case/Package=SOT-26, Max Frequency=4GHz, Max Operating Temperature=85°C, Max Power Dissipation=574mW, Min Operating Temperature=-40°C, Contact Plating=Tin, IIP3=60dBm, Impedance=50R, Lead Free="Contains Lead", Mount="Surface Mount", Number of Pins=6, P1dB=39dBm, Packaging="Cut Tape", REACH SVHC="No SVHC", RoHS Compliant=Yes, Throw Configuration=SPDT
DD1: library part CMP-08093-000007-1, "IC USB TO UART BRIDGE QFN28"
DD2: library part CMP-12105-000100-1, "MULTIPROTOCOL LPWAN 32-BIT ARM C"
L1 L2 L3 L4 L5 L6: library part L, "Wire Wound RF Inductor 4.3nH ±0.2nH 750mA 0.07Ω 0402 (1005)", Case Code (Imperial)=0402, Case Code (Metric)=1005, Current Rating=750mA, DC Resistance (DCR)=70mR, Inductance=4.3nH, Max Operating Temperature=125°C, Min Operating Temperature=-55°C, Package Quantity=10000, Self Resonant Frequency=10GHz, Test Frequency=100MHz, Case/Package=0402, Core Material=Air, DC Current=750mA, Depth=0.7mm, Height=0.5mm, Lead Free="Lead Free", Length=1mm, Max DC Current=750mA, Military Standard=Not, Mount="Surface Mount", Number of Pins=2, Packaging="Tape and Reel", Q Factor=25, Radiation Hardening=No, REACH SVHC="No SVHC", Shielding=Unshielded, Termination=SMD/SMT, Weight=2.8E-05oz, Width=0.02inch
R1 R2 R3 R4 R5 R6 R7 R8: library part R, Manufacturer="Yageo / Phycomp", Part Number=RC0402FR-074K7L
VD1 VD2: library part LED_single, Color=GREEN, ColorParameter=Green, Temperature=-55...+150°C, TypeDiode=LED, ValueManufacturerPartNumber="LED, Green, *, *, *, -55...+150°C"
XP1: library part "USB-A plug", "Universal Serial Bus (USB) Shielded I/O Plug, Type A, Right Angle Connector, 1.5 A, -20 to 85 degC, 4-Pin SMD, RoHS, Tray", Case Code (Imperial)=0603, Case Code (Metric)=1608, Max Operating Temperature="155 degC", Min Operating Temperature="-55 degC", Package Quantity=5000, Power Rating="100 mW", Resistance="1 mohm", Tolerance=1%, Voltage Rating="50 V", Case\Package=0603, ComponentLink1Description="Manufacturer URL", ComponentLink1URL=http://www.molex.com/, ComponentLink2Description=Datasheet, ComponentLink2URL=http://www.molex.com/pdm_docs/sd/480371000_sd.pdf, DatasheetVersion="Rev. D, 06/2004", Height="0.45 mm", Length="1.6 mm", Mount="Surface Mount", PackageDescription="4-Pin Surface Mount Device, Body 12 x 18.8 mm", PackageReference=480-37-1000, Packaging="Tape and Reel", Pins=2, REACH SVHC="No SVHC", RoHSCompliant=true, Voltage Rating (DC)="50 V", Width="0.8 mm"
ZQ1: library part Oscillator

## Via types
v1: diameter 0.7, hole 0.3, Top Layer 1 to Bottom Layer 1, tented both sides, 187 vias
v2: diameter 0.7, hole 0.3, Top Layer 1 to Bottom Layer 1, tented bottom, 42 vias

## Nets (pads, with @x,y where several pads share a name; then routed paths per layer and width w, separated by ;. In a path a pad name is that pad's centre, name@x,y a point inside that pad or via, vN(x,y) a via of type N, cw(c..) or ccw(c..) an arc to the next point about the centre after c; other vN are vias at no path point)
C\T\R\L\: DD2.14 R7.1 | length 2.9
  Top Layer 1 w0.25: 18.288,15.329 18.288,15.049 18.537,14.8 DD2.14@19.038,14.8
  Top Layer 1 w0.3: R7.1@16.912,16.05 16.928,16.034 17.803,16.034 18.288,15.549 18.288,15.329
CTRL: DD2.13 R8.1 | length 3.2
  Top Layer 1 w0.25: DD2.13@19.038,15.3 19.038,15.816
  Top Layer 1 w0.3: R8.1@16.912,17.05 17.043,16.919 17.935,16.919 19.038,15.816
D+: DA1.1 DD1.4 XP1.3 | length 9
  Top Layer 1 w0.25: DD1.4@36.912,13.05 37.432,13.05
  Top Layer 1 w0.3: 37.432,13.05 37.682,12.8 40.462,12.8 41.212,12.05 XP1.3@41.612,12.05
  Top Layer 1 w0.6: XP1.3@41.612,12.05 v1(42.912,12.05)
  Bottom Layer 1 w0.3: DA1.1@41.662,12.1 42.808,12.1 42.858,12.05 v1(42.912,12.05) ; v1@42.862,12.05 44.113,12.05 DA1.1@44.162,12.1
D-: DA1.3 DD1.5 XP1.2 | length 9.6
  Top Layer 1 w0.25: DD1.5@36.812,13.55 37.64,13.55
  Top Layer 1 w0.3: 37.64,13.55 37.89,13.3 38.656,13.3 38.806,13.3 38.806,13.499 39.606,13.499 39.606,13.3 40.462,13.3 40.83,13.668 41.212,14.05 XP1.2@41.612,14.05
  Top Layer 1 w0.6: XP1.2@41.612,14.05 v1(42.912,14.05)
  Bottom Layer 1 w0.3: DA1.3@41.562,14 42.808,14 42.858,14.05 v1(42.912,14.05) 42.967,14.05 43.017,14 DA1.3@44.162,14